# Allegro board FRDM-A-S32K356_PCBLayout.brd (continued)
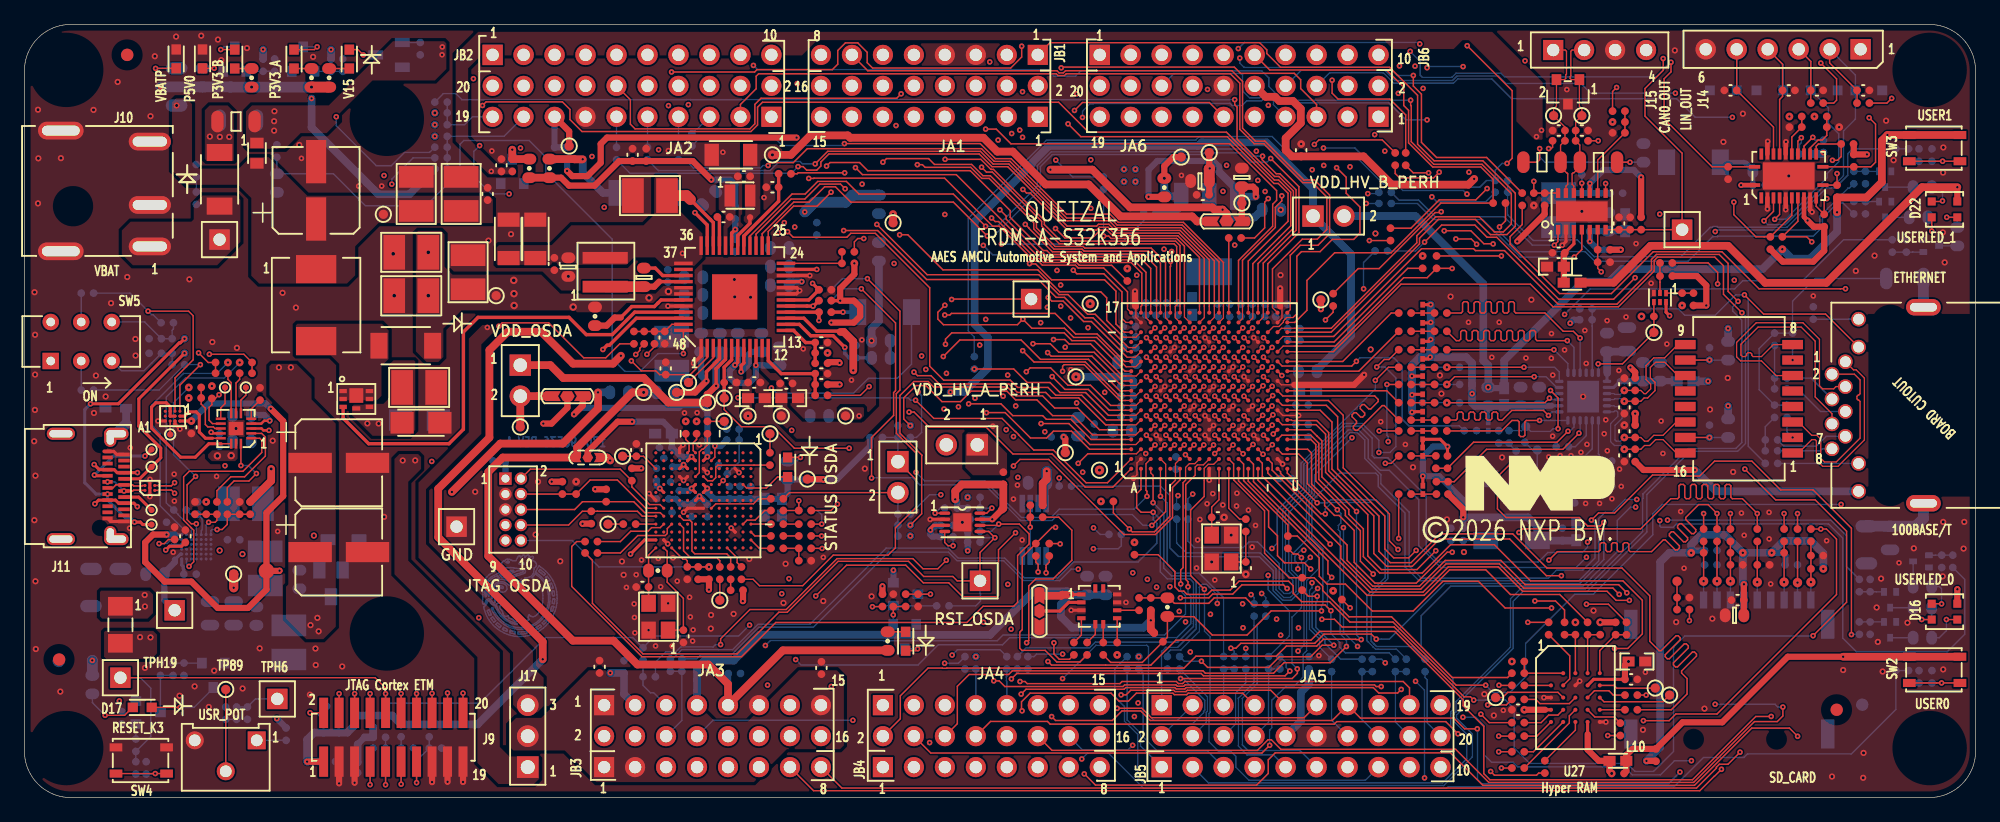
[diagram p0: board, top side]
## Placement (name value [footprint] x y rotation side) (continued)
NOREF#92  -  []  13.09 5.87 0 top
NOREF#93  -  []  149.32 35.75 90 top
NOREF#94  -  []  158.8 49.5 0 top
NOREF#95  -  []  137.69 16.22 0 top
NOREF#96  -  []  136.87 4.79 0 top
NOREF#97  -  []  154.56 52.2 0 top
NOREF#98  -  []  129.87 30.84 90 top
NOREF#99  -  [unnamed#2]  3.43 4.06 0 top
NOREF#100  -  []  148.35 24.92 90 top
NOREF#101  -  []  26.17 31.65 0 top
NOREF#102  -  []  2.99 21.2 0 top
NOREF#103  -  []  104.15 26.38 0 top
NOREF#104  -  []  56.36 52.72 0 top
NOREF#105  -  []  143.67 4.79 90 top
NOREF#106  -  []  126.56 30.94 0 top
NOREF#107  -  []  41.89 44.25 90 top
NOREF#108  -  []  147.35 0.79 90 top
NOREF#109  -  []  48.6 49.6 0 top
NOREF#110  -  []  144.16 26.19 0 top
NOREF#111  -  []  16.95 31.53 0 top
NOREF#112  -  []  21.4 31.63 90 top
NOREF#113  -  []  54.04 38.32 90 top
NOREF#114  -  []  161.5 49.5 90 top
NOREF#115  -  []  13.97 4.7 0 top
NOREF#116  -  []  -288.68 -280.68 0 top
NOREF#117  -  []  112.68 59.57 90 top
NOREF#118  -  []  154.47 51.67 0 top
NOREF#119  -  []  134.86 56.17 0 top
NOREF#120  -  []  17.35 51.41 0 top
NOREF#121  -  []  152.21 62.74 0 top
NOREF#122  -  []  35.97 2.95 90 top
NOREF#123  -  []  15.57 21.84 0 top
NOREF#124  -  []  39.32 36.94 0 top
NOREF#125  -  []  15.3 21.17 90 top
NOREF#126  -  []  131.72 5.22 0 top
NOREF#127  -  []  150.4 25.12 90 top
NOREF#128  -  [unnamed#2]  3.43 59.69 0 top
NOREF#129  -  []  147.37 40.42 0 top
NOREF#130  -  []  129.15 25.19 90 top
NOREF#131  -  []  16.1 30.68 90 top
NOREF#132  -  []  83.23 14.05 90 top
NOREF#133  -  []  12.6 31.94 90 top
NOREF#134  -  []  6.64 31.94 0 top
NOREF#135  -  []  30.97 30.75 0 top
NOREF#136  -  []  125.76 34.95 0 top
NOREF#137  -  []  11.66 1.97 90 top
NOREF#138  -  []  43.27 32.93 0 top
NOREF#139  -  []  91.61 1.16 0 top
NOREF#140  -  []  2.16 39.01 0 top
NOREF#141  -  []  36.75 59.58 0 top
NOREF#142  -  []  58.24 41.07 0 top
NOREF#143  -  []  57.99 36.87 90 top
NOREF#144  -  []  16.51 2.16 90 top
NOREF#145  -  []  7.42 1.45 0 top
NOREF#146  -  []  72.54 38.47 90 top
NOREF#147  -  []  150.35 0.81 90 top
NOREF#148  -  []  14.9 19.57 0 top
NOREF#149  -  []  39.88 46.45 90 top
NOREF#150  -  []  156.5 0 90 top
NOREF#151  -  []  28.29 32.7 90 top
NOREF#152  -  []  118.17 23.54 0 top
NOREF#153  -  []  10.9 24.99 0 top
NOREF#154  -  []  156.4 14.6 90 top
NOREF#155  -  [unnamed#3]  8.43 60.92 0 top
NOREF#156  -  []  59.69 49.87 0 top
NOREF#157  -  []  158.71 52.2 90 top
NOREF#158  -  []  157 -1.69 90 top
NOREF#159  -  []  89.82 3.7 90 top
NOREF#160  -  []  155.72 24.14 90 top
NOREF#161  -  []  39.44 24.9 90 top
NOREF#162  -  []  133.11 46.54 90 top
NOREF#163  -  []  7.16 35.81 90 top
NOREF#164  -  []  148.22 34.73 0 top
NOREF#165  -  []  137.69 16.22 0 top
NOREF#166  -  []  129.66 46.59 90 top
NOREF#167  -  []  97.32 47.26 0 top
NOREF#168  -  []  62.58 26.3 90 top
NOREF#169  -  []  6.82 24.4 90 top
NOREF#170  -  []  133.61 40.65 0 top
NOREF#171  -  []  149.32 35.75 90 top
NOREF#172  -  []  11.62 1.45 90 top
NOREF#173  -  [unnamed#2]  156.22 59.69 0 top
NOREF#174  -  []  117.76 1.15 90 top
NOREF#175  -  []  147.87 5.22 90 top
NOREF#176  -  [unnamed#2]  118.49 13.46 0 top
NOREF#177  -  []  75.6 28.94 0 top
NOREF#178  -  []  18.11 21.84 90 top
NOREF#179  -  []  39.44 21.09 90 top
NOREF#180  -  [unnamed#2]  29.72 55.68 0 top
NOREF#181  -  []  147.35 0.79 0 top
NOREF#182  -  []  78.02 58.38 0 top
NOREF#183  -  []  8.39 31.44 90 top
NOREF#184  -  []  158.67 8.88 90 top
NOREF#185  -  []  147.47 50.24 90 top
NOREF#186  -  []  161.5 16.5 90 top
NOREF#187  -  []  30.82 29.85 0 top
NOREF#188  -  []  45.22 27.9 0 top
NOREF#189  -  []  40.94 42.18 0 top
NOREF#190  -  []  45.22 27.9 0 top
NOREF#191  -  []  154.47 8.88 0 top
NOREF#192  -  []  146.92 49.19 90 top
NOREF#193  -  []  157 -4.79 90 top
NOREF#194  -  []  56.54 51.77 90 top
NOREF#195  -  []  137.69 16.22 0 top
NOREF#196  -  []  131.72 14.22 0 top
NOREF#197  -  []  84.74 49.27 0 top
NOREF#198  -  []  10.9 24.99 90 top
NOREF#199  -  []  56.54 51.77 90 top
NOREF#200  -  []  16 48.51 90 top
NOREF#201  -  []  118.15 26.38 90 top
NOREF#202  -  []  70.28 29.03 0 top
NOREF#203  -  []  143.67 4.79 0 top
NOREF#204  -  []  144.07 50.99 0 top
NOREF#205  -  []  65.32 55.84 90 top
NOREF#206  -  []  144.16 39.24 90 top
NOREF#207  -  []  10.69 25.2 90 top
NOREF#208  -  []  39.7 44.25 90 top
NOREF#209  -  []  29.27 38.42 0 top
NOREF#210  -  []  154.28 19.47 90 top
NOREF#211  -  []  109.67 46.35 90 top
NOREF#212  -  []  79.61 30.28 0 top
NOREF#213  -  []  2.99 21.2 90 top
NOREF#214  -  []  38.3 26.99 90 top
NOREF#215  -  []  158.71 9.41 90 top
NOREF#216  -  []  29.27 35.72 90 top
NOREF#217  -  []  125.86 31.64 90 top
NOREF#218  -  []  142.42 52.79 0 top
NOREF#219  -  []  128.15 25.19 0 top
NOREF#220  -  []  68.75 3.7 0 top
NOREF#221  -  []  26.14 32.05 0 top
NOREF#222  -  []  104.19 46.35 0 top
NOREF#223  -  []  17.35 48.71 90 top
NOREF#224  -  []  30.84 30.98 0 top
NOREF#225  -  []  29.07 37.07 0 top
NOREF#226  -  []  8.39 32.44 0 top
NOREF#227  -  []  56.19 51.77 0 top
NOREF#228  -  []  63.03 27.95 0 top
NOREF#229  -  []  50.08 5.04 0 top
NOREF#230  -  []  132.25 0.79 90 top
NOREF#231  -  []  -262.01 240.4 0 top
NOREF#232  -  []  72.94 5.04 0 top
NOREF#233  -  []  39.44 26.17 0 top
NOREF#234  -  []  51.78 27.63 90 top
NOREF#235  -  []  18.7 31.63 0 top
NOREF#236  -  []  13.11 35.51 90 top
NOREF#237  -  []  28.29 32.05 90 top
NOREF#238  -  []  36.75 3.2 90 top
NOREF#239  -  []  23.75 3.2 0 top
NOREF#240  -  []  56.36 52.72 0 top
NOREF#241  -  []  158.67 51.67 90 top
NOREF#242  -  []  97.32 47.26 0 top
NOREF#243  -  []  38.3 26.99 0 top
NOREF#244  -  []  51.18 28.88 0 top
NOREF#245  -  []  133.39 41.52 0 top
NOREF#246  -  []  47.54 5.04 0 top
NOREF#247  -  []  147.87 14.22 90 top
NOREF#248  -  []  52.8 48.25 90 top
NOREF#249  -  []  28.29 32.7 90 top
NOREF#250  -  []  38.39 60.92 0 top
NOREF#251  -  []  88.18 60.92 0 top
NOREF#252  -  []  136.87 4.79 90 top
NOREF#253  -  []  0 56.75 0 top
NOREF#254  -  []  157 -0.59 90 top
NOREF#255  -  []  83.23 14.05 90 top
NOREF#256  -  []  134.86 53.47 90 top
NOREF#257  -  []  60.18 28.88 90 top
NOREF#258  -  []  134.66 52.12 0 top
NOREF#259  -  [unnamed#3]  2.82 11.21 180 bottom
NOREF#260  -  []  47.9 36.07 180 bottom
NOREF#261  -  [unnamed#3]  150.7 7.62 270 bottom
NOREF#262  -  []  35.78 33.58 180 bottom
NOREF#263  -  [unnamed#3]  8.42 60.92 180 bottom
Q1  BUK9D23-40EX  [SOT1220]  27.22 32.7 0 top
Q2  BC846B  [SOT23_A]  17.25 60.58 180 bottom
Q3  BSH103  [SOT23]  29.9 60.92 270 bottom
Q5  BCP56-16TX  [SOT223]  97.16 46.23 0 bottom
Q6  BC857B  [SOT23_A]  72.26 16.69 90 bottom
Q7  BC847B  [SOT23_A]  72.19 13.21 0 bottom
Q8  2SC4738-GR,LF  [SC_75]  152.98 13.76 0 bottom
Q9  2SC4738-GR,LF  [SC_75]  152.98 16.23 0 bottom
Q10  2SC4738-GR,LF  [SC_75]  155.52 19.38 270 bottom
Q11  BC857B  [SOT23_A]  10.15 6.98 90 bottom
Q12  BC847B  [SOT23_A]  15.49 10.03 0 bottom
Q13  BC846B  [SOT23_A]  22.86 60.58 180 bottom
Q14  2SC4738-GR,LF  [SC_75]  156.35 45.25 90 bottom
Q15  2SC4738-GR,LF  [SC_75]  152.58 48.25 0 bottom
Q16  2SC4738-GR,LF  [SC_75]  152.58 50.72 0 bottom
R1  5.1K  [RC0402_25]  20.7 53.04 270 bottom
R2  0  [RC0402_25]  104.78 17.53 90 top
R3  0  [RC0402_25]  103.6 20.95 90 top
R4  0  [RC0402_25]  49.98 37.73 90 top
R5  560 OHM  [RC0603_OV]  14.61 59.05 90 bottom
R6  0  [RC0402_25]  50.82 37.73 90 top
R7  0  [RC0402_25]  107.67 16.6 315 top
R8  2.0K  [RC1206_OV]  12.48 58.29 90 bottom
R9  560 OHM  [RC0603_OV]  18.63 59.04 90 top
R10  560 OHM  [RC0603_OV]  24.99 59.04 90 top
R11  0.1  [RC1206_ERJ-8BW]  32.52 30.75 0 top
R12  0.1  [RC1206_ERJ-8BW]  32.39 30.98 0 bottom
R14  10K  [RC0402_25]  19.57 60.08 270 bottom
R15  215  [RC0402_25]  32.46 61.43 90 bottom
R17  0  [RC0402_25]  58.29 47.96 270 bottom
R18  33K  [RC0402_25]  20.52 60.08 90 bottom
R20  0  [RC0603_OV]  46.79 39.48 270 top
R21  220  [RC0402_25]  62.35 51.17 180 top
R22  0  [RC0402_25]  64.97 46.65 270 bottom
R23  10K  [RC0402_25]  67.55 43.82 180 top
R24  5.1K  [RC0402_25]  65.66 39.82 180 bottom
R26  5.1K  [RC0402_25]  65.66 40.77 180 top
R27  5.1K  [RC0402_25]  65.35 35.63 180 top
R28  5.1K  [RC0402_25]  65.35 33.89 180 top
R29  22K  [RC0402_25]  65.66 41.66 180 top
R31  30.9K  [RC0603_OV]  70.23 37.48 0 bottom
R32  300  [RC0603_OV]  70.23 36.07 180 bottom
R33  10K  [RC0402_25]  68.2 36.58 90 bottom
R34  0  [RC0402_25]  65.66 40.77 180 bottom
R35  0  [RC0402_25]  65.66 41.66 180 bottom
R37  0  [RC0402_25]  65.35 36.48 180 top
R38  0  [RC0402_25]  65.35 33 180 top
R39  0  [RC0402_25]  67.55 44.77 180 top
R40  10K  [RC0402_25]  40.01 51.87 90 top
R42  0  [RC0603_OV]  41.4 51.61 270 top
R43  0  [RC0603_OV]  43.05 51.61 270 top
R44  33K  [RC0402_25]  50.98 52.72 90 top
R46  0  [RC0402_25]  84.7 29.58 0 bottom
R47  2.2K  [RC0603_OV]  93.47 50.04 270 top
R48  0  [RC0402_25]  88.47 50.4 90 bottom
R50  0  [RC0402_25]  114.65 43.92 270 top
R51  0  [RC0402_25]  99.26 45.91 180 top
R52  0  [RC0402_25]  111.57 49.65 180 bottom
R53  0  [RC0402_25]  121.12 49.66 0 bottom
R54  0  [RC0402_25]  111.57 48.74 180 bottom
R55  0  [RC0402_25]  91.1 51.03 90 bottom
R56  0  [RC0402_25]  90.16 51.03 90 bottom
R57  0  [RC0402_25]  89.44 21.59 0 bottom
R58  0  [RC0402_25]  91.02 20.43 270 top
R59  0  [RC0402_25]  85.36 25.56 180 bottom
R60  0  [RC0402_25]  88.79 24.3 180 top
R61  0  [RC0402_25]  94.48 23.35 90 bottom
R62  0  [RC0402_25]  95.4 23.35 90 bottom
R73  0  [RC0402_25]  111.26 44.84 180 bottom
R74  0  [RC0402_25]  77.89 35.66 270 bottom
R75  0  [RC0402_25]  115.79 43.92 270 top
R76  0  [RC0402_25]  121.12 50.62 180 bottom
R79  0  [RC0402_25]  92.29 47.94 180 bottom
R80  0  [RC0402_25]  100.15 22.34 270 top
R82  0  [RC0805_OV]  17.16 15.11 270 bottom
R83  0  [RC0805_OV]  15.21 15.11 270 bottom
R84  0  [RC0402_25]  16.64 23.75 270 top
R85  0  [RC0402_25]  15.79 23.75 270 top
R86  100k  [RC0402_25]  12.32 21.68 270 top
R87  10K  [RC0402_25]  13.99 32.78 0 top
R88  100k  [RC0402_25]  14.21 23.75 270 bottom
R89  0  [RC0402_25]  12.76 23.59 0 bottom
R90  0  [RC0402_25]  13.99 33.64 180 top
R91  0  [RC0402_25]  19.32 33.11 90 top
R92  10K  [RC0402_25]  15.37 33.25 270 top
R93  0  [RC0402_25]  16.18 34.81 180 top
R94  0  [RC0402_25]  18.16 34.81 0 top
R95  0  [RC0402_25]  16.18 35.69 180 top
R96  0  [RC0402_25]  18.16 35.69 0 top
R97  10K  [RC0402_25]  58.42 17.01 180 top
R98  0  [RC0402_25]  49.61 22.43 180 top
R99  0  [RC0402_25]  46.48 21 180 top
R100  0  [RC0402_25]  46.48 20.07 180 top
R101  0  [RC0402_25]  57.91 18.41 270 top
R102  0  [RC0402_25]  57.02 18.41 270 top
R104  1M  [RC0603_OV]  51.94 18.62 0 top
R105  0  [RC0402_25]  64.01 21.46 0 top
R106  0  [RC0402_25]  64.01 22.43 0 top
R107  0  [RC0402_25]  64.01 23.55 0 bottom
R108  0  [RC0402_25]  64.01 23.55 0 top
R109  0  [RC0402_25]  64.01 20.45 0 top
R110  4.7K  [RC0402_25]  55.25 18.41 90 top
R111  100k  [RC0402_25]  64.01 19.43 0 top
R112  10K  [RC0402_25]  54.36 18.41 270 top
R113  0  [RC0402_25]  61.72 24.51 0 top
R114  0  [RC0402_25]  58.8 18.41 270 top
R115  10K  [RC0402_25]  69.85 29.54 0 bottom
R116  0  [RC0402_25]  72.14 30.52 0 bottom
R117  10K  [RC0402_25]  72.14 21.46 180 bottom
R118  0  [RC0402_25]  72.14 22.35 0 bottom
R119  0  [RC0402_25]  72.14 29.54 0 bottom
R120  0  [RC0402_25]  72.14 23.26 0 bottom
R121  0  [RC0402_25]  61.72 20.45 0 top
R123  5.1K  [RC0402_25]  10.73 36.45 180 bottom
R124  0  [RC0402_25]  80.27 26.19 270 top
R125  0  [RC0402_25]  61.72 21.46 0 top
R126  0  [RC0402_25]  61.72 22.43 0 top
R127  0  [RC0402_25]  61.72 23.55 0 top
R128  5.1K  [RC0402_25]  10.73 37.64 180 bottom
R129  330  [RC0603_OV]  62.58 26.85 90 bottom
R130  10K  [RC0402_25]  77.85 20.95 0 bottom
R131  10K  [RC0402_25]  75.64 21.41 0 bottom
R132  4.7K  [RC0402_25]  77.85 21.84 0 bottom
R133  10K  [RC0402_25]  75.97 23.75 180 bottom
R134  180K  [RC0402_25]  77.85 23.75 0 bottom
R135  0  [RC0402_25]  77.85 24.64 180 bottom
R136  5.6K  [RC0402_25]  58.1 29.34 0 bottom
R137  560 OHM  [RC0603_OV]  70.79 12.84 90 top
R138  10K  [RC0402_25]  58.1 30.23 180 bottom
R139  0  [RC0402_25]  55.12 30.35 270 top
R140  0  [RC0402_25]  54.23 30.35 270 top
R141  4.7K  [RC0402_25]  70.36 16.18 270 top
R142  18K  [RC0402_25]  75.31 15.73 180 bottom
R143  10K  [RC0402_25]  72.26 16.18 270 top
R144  100k  [RC0402_25]  73.28 16.18 270 top
R145  180K  [RC0402_25]  71.25 16.18 90 top
R147  0  [RC0402_25]  61.13 27.78 90 top
R148  0  [RC0402_25]  56.01 30.35 90 top
R149  10K  [RC0402_25]  49.81 26.5 270 top
R150  10K  [RC0402_25]  44.11 25.41 270 top
R151  10K  [RC0402_25]  47.7 24.78 270 top
R152  10K  [RC0402_25]  46.48 22.98 90 top
R153  10K  [RC0402_25]  56.13 18.41 90 top
R154  10K  [RC0402_25]  45.24 25.41 90 top
R155  0  [RC0402_25]  150.78 56.97 0 top
R156  10K  [RC0402_25]  143.16 45.49 90 top
R157  10K  [RC0402_25]  147.58 47.34 90 top
R158  10K  [RC0402_25]  144.14 45.49 90 top
R159  10K  [RC0402_25]  148.63 49.73 90 top
R160  10K  [RC0402_25]  145.23 55.87 0 top
R161  10K  [RC0402_25]  147.29 55.87 0 top
R162  10K  [RC0402_25]  147.51 53.41 90 bottom
R163  10K  [RC0402_25]  150 52.25 270 top
R164  10K  [RC0402_25]  146.06 52.79 180 bottom
R165  10K  [RC0402_25]  149.48 53.61 180 top
R166  0  [RC0402_25]  146.99 56.97 0 top
R167  10K  [RC0402_25]  145.23 55 180 top
R168  10K  [RC0402_25]  148.3 55 0 top
R169  1.0K  [RC0402_25]  130.55 49.58 180 bottom
R170  10K  [RC0402_25]  132.57 47.09 270 top
R171  10K  [RC0402_25]  130.73 55.42 0 top
R172  10K  [RC0402_25]  124.66 49.08 90 top
R173  10K  [RC0402_25]  129.51 44.94 180 top
R174  0  [RC0402_25]  125.82 53.88 180 top
R175  0  [RC0402_25]  127.71 53.88 0 top
R176  60.4  [RC1206_OV]  124.44 52.12 180 top
R177  0  [RC0402_25]  127.71 51.61 90 bottom
R178  60.4  [RC1206_OV]  129.07 52.12 180 top
R179  10K  [RC0402_25]  131.67 47.09 90 top
R180  10K  [RC0402_25]  130.73 54.53 180 top
R181  10K  [RC0402_25]  123.77 49.08 270 top
R182  10K  [RC0402_25]  129.51 43.92 0 top
R184  51K  [RC0201]  114.65 32.74 270 top
R185  51K  [RC0201]  114.65 28.37 270 top
R186  51K  [RC0201]  114.67 25.24 270 top
R187  0  [RC0402_25]  113.2 24.9 0 top
R188  49.9  [RC0402_25]  144.02 34.42 180 bottom
R189  0  [RC0402_25]  113.2 28.03 0 top
R190  0  [RC0402_25]  113.2 32.39 0 top
R191  49.9  [RC0402_25]  132.08 28.07 90 top
R192  49.9  [RC0402_25]  132.08 32 90 top
R193  49.9  [RC0402_25]  143.51 37.59 90 bottom
R195  49.9  [RC0402_25]  132.08 30.05 270 top
R196  49.9  [RC0402_25]  132.08 33.91 270 top
R197  0  [RC0603_OV]  139.7 36.65 270 bottom
R198  49.9  [RC0402_25]  144.02 33.53 180 bottom
R201  49.9  [RC0402_25]  143.26 29.34 180 bottom
R203  49.9  [RC0402_25]  143.51 31.69 90 bottom
R204  49.9  [RC0402_25]  143.26 28.45 180 bottom
R205  75  [RC0402_25]  144.53 31.69 90 bottom
R208  51K  [RC0201]  114.65 29.73 90 top
R209  51K  [RC0201]  114.65 31.31 270 top
R210  0  [RC0402_25]  113.2 30.97 0 top
R211  0  [RC0402_25]  113.2 30.08 0 top
R216  1.0K  [RC0402_25]  116.69 27.52 270 top
R217  1.0K  [RC0402_25]  116.74 25.4 90 top
R218  75  [RC0402_25]  144.99 37.59 90 bottom
R219  470  [RC0402_25]  143.26 27.41 180 bottom
R220  33 OHM  [RC0402_25]  115.73 27.52 90 top
R221  51K  [RC0201]  114.65 34.23 270 top
R222  51K  [RC0201]  114.65 35.64 270 top
R223  33 OHM  [RC0402_25]  115.78 25.4 270 top
R224  0  [RC0402_25]  113.2 35.3 0 top
R226  470  [RC0402_25]  146.69 39.75 90 bottom
R227  0  [RC0402_25]  113.2 33.89 0 top
R228  33 OHM  [RC0402_25]  116.13 38.25 0 top
R229  33 OHM  [RC0402_25]  116.13 39.75 0 top
R232  33 OHM  [RC0402_25]  116.13 30.97 0 top
R234  33 OHM  [RC0402_25]  116.13 30.08 0 top
R235  1.0M  [RC0805_OV]  152.98 21.3 270 bottom
R238  51K  [RC0201]  114.65 40.09 270 top
R239  51K  [RC0201]  114.65 38.59 270 top
R240  6.49K  [RC0402_25]  126.11 28.79 180 bottom
R241  0  [RC0402_25]  113.2 38.25 0 top
R242  0  [RC0402_25]  113.2 39.75 0 top
R243  33 OHM  [RC0402_25]  116.13 35.3 0 top
R244  33 OHM  [RC0402_25]  116.13 33.89 0 top
R248  0  [RC0402_25]  127.13 26.67 270 bottom
R249  0  [RC0402_25]  126.11 26.67 270 bottom
R251  0  [RC0402_25]  129.65 27.6 0 bottom
R254  51K  [RC0201]  114.65 37.08 270 top
R255  51K  [RC0201]  120.03 30.44 270 bottom
R256  0  [RC0603_OV]  120.03 32.89 270 bottom
R257  0  [RC0402_25]  118.57 30.1 0 bottom
R259  0  [RC0402_25]  113.2 36.74 0 top
R261  0  [RC0402_25]  122.67 28.79 225 bottom
R263  0  [RC0402_25]  120.9 29.59 270 bottom
R264  10K  [RC0402_25]  117.98 21.59 270 bottom
R267  0  [RC0402_25]  121.74 29.59 270 bottom
R268  10K  [RC0402_25]  116.97 21.59 270 bottom
R270  33 OHM  [RC0402_25]  116.13 32.39 0 top
R271  33 OHM  [RC0402_25]  116.13 36.74 0 top
R320  560 OHM  [RC0603_OV]  155.63 17.31 180 bottom
R321  680  [RC0603_OV]  155.63 15.58 180 bottom
R322  680  [RC0603_OV]  155.63 13.11 180 bottom
R333  10K  [RC0402_25]  150.46 13.9 90 bottom
R335  33K  [RC0402_25]  151.35 13.9 270 bottom
R338  10K  [RC0402_25]  150.46 17.39 270 bottom
R340  33K  [RC0402_25]  151.35 17.39 90 bottom
R341  10K  [RC0402_25]  158.13 19.38 90 bottom
R342  33K  [RC0402_25]  157.22 19.38 270 bottom
R343  10K  [RC0402_25]  154.5 9.91 90 bottom
R344  10K  [RC0402_25]  155.35 9.91 90 bottom
R345  10K  [RC0402_25]  24.54 5.84 90 bottom
R346  10K  [RC0402_25]  25.78 5.84 90 bottom
R347  10K  [RC0402_25]  27.08 7.24 90 bottom
R348  10K  [RC0402_25]  28.32 7.24 90 bottom
R349  10K  [RC0402_25]  29.62 7.24 90 bottom
R350  0  [RC0402_25]  27.84 2.88 0 bottom
R351  0  [RC0402_25]  29.11 4.95 0 bottom
R352  0  [RC0402_25]  30.89 5.5 270 bottom
R353  0  [RC0402_25]  33.19 5.5 270 bottom
R354  10K  [RC0402_25]  29.11 4.06 180 bottom
R355  10K  [RC0402_25]  31.39 4.06 0 bottom
R356  10K  [RC0402_25]  154.5 52.71 90 bottom
R357  10K  [RC0402_25]  27.84 2.04 180 bottom
R358  10K  [RC0402_25]  33.7 4.06 0 bottom
R359  10K  [RC0402_25]  155.35 52.71 90 bottom
R360  10K  [RC0402_25]  25.3 7.49 180 bottom
R361  560 OHM  [RC0603_OV]  5.58 9.27 270 bottom
R362  4.7K  [RC0402_25]  7.99 6.55 270 bottom
R363  0  [RC0402_25]  21.46 5.21 90 bottom
R364  10  [RC0402_25]  9.14 2.44 90 bottom
R365  18K  [RC0402_25]  9.14 4.29 90 bottom
R366  10K  [RC0402_25]  12.19 10.53 90 bottom
R367  100k  [RC0402_25]  11.15 10.53 90 bottom
R368  180K  [RC0402_25]  13.08 10.53 270 bottom
R369  1.0K  [RC0402_25]  17.4 6.93 90 bottom
R370  10K  [POT3_3362W]  19.05 4.7 180 top
R396  10K  [RC0402_25]  34.16 51.58 0 bottom
R397  10K  [RC0402_25]  34.16 56.16 0 bottom
R398  0  [RC0402_25]  34.16 57.05 0 bottom
R399  0  [RC0402_25]  34.16 54.24 0 bottom
R400  0  [RC0402_25]  34.16 53.35 0 bottom
R401  0  [RC0402_25]  34.16 55.19 0 bottom
R403  0  [RC0402_25]  34.16 52.47 0 bottom
R404  0  [RC0402_25]  44.5 52.83 90 bottom
R405  0  [RC0402_25]  48.55 52.83 90 bottom
R406  0  [RC0402_25]  51.09 52.83 90 bottom
R407  0  [RC0402_25]  53.63 52.83 90 bottom
R409  0  [RC0402_25]  54.73 53.96 90 bottom
R412  0  [RC0402_25]  80.56 11.06 270 bottom
R413  0  [RC0402_25]  82.28 11.06 270 bottom
R414  0  [RC0402_25]  81.42 11.06 270 bottom
R415  0  [RC0402_25]  98.34 11.06 90 bottom
R416  0  [RC0402_25]  99.21 11.06 90 bottom
R417  0  [RC0402_25]  77.13 11.06 270 bottom
R418  0  [RC0402_25]  78.02 11.06 270 bottom
R419  0  [RC0402_25]  50.73 11.79 270 bottom
R420  0  [RC0402_25]  51.23 9.91 180 bottom
R421  0  [RC0402_25]  109.68 10.85 90 bottom
R422  0  [RC0402_25]  112.42 10.85 90 bottom
R424  0  [RC0402_25]  114.85 10.85 90 bottom
R425  0  [RC0402_25]  113.32 10.85 90 bottom
R426  0  [RC0402_25]  110.53 10.85 90 bottom
R427  0  [RC0402_25]  107.19 10.85 90 bottom
R428  0  [RC0402_25]  102.02 11.06 90 bottom
R429  0  [RC0402_25]  100.15 11.06 90 bottom
R430  0  [RC0402_25]  53.91 10.87 270 bottom
R431  0  [RC0402_25]  94.73 11.06 90 bottom
R432  0  [RC0402_25]  52.97 10.87 270 bottom
R433  0  [RC0402_25]  102.95 11.06 90 bottom
R435  0  [RC0402_25]  93.72 11.06 90 bottom
R438  0  [RC0402_25]  12.62 36.45 180 bottom
R439  0  [RC0402_25]  12.62 37.64 180 bottom
R440  560 OHM  [RC0603_OV]  23.54 59.04 90 top
R441  10K  [RC0402_25]  25.15 60.08 270 bottom
R442  33K  [RC0402_25]  26.11 60.08 90 bottom
R448  0  [RC0402_25]  12.62 35.51 0 bottom
R449  0  [RC0402_25]  11.71 38.95 180 bottom
R452  0  [RC0402_25]  5.17 33.43 0 bottom
R453  0  [RC0402_25]  5.17 41.38 0 bottom
R454  0  [RC0402_25]  130.73 56.31 0 top
R455  100k  [RC0402_25]  14.91 23.75 270 top
R456  100k  [RC0402_25]  18.51 23.75 270 top
R457  100k  [RC0402_25]  13.99 23.75 90 top
R458  100k  [RC0402_25]  17.65 23.75 90 top
R495  0  [RC0402_25]  130.66 1.98 180 top
R500  0  [RC1206_OV]  17.55 55.55 0 bottom
R501  0  [RC1206_OV]  7.87 17.23 270 bottom
R502  0  [RC1206_OV]  5.46 17.23 270 bottom
R516  0  [RC0402_25]  87.14 12.22 90 top
R517  0  [RC0402_25]  89.61 12.22 270 top
R518  0  [RC0402_25]  86.06 12.22 90 top
R519  0  [RC0402_25]  91.4 15.87 90 top
R520  0  [RC0402_25]  88.46 12.22 270 top
R521  10K  [RC0402_25]  92.36 15.87 90 top
R522  10K  [RC0402_25]  93 13.14 315 top
R523  0  [RC0603_OV]  93.72 15.62 270 top
R524  10K  [RC0402_25]  82.99 23.98 180 top
R525  0  [RC0402_25]  82.99 23 180 top
R526  0  [RC0402_25]  84.04 20.33 90 top
R527  0  [RC0402_25]  82.93 20.33 90 top
R528  0  [RC0603_OV]  52.59 33.24 0 bottom
R529  0  [RC0603_OV]  48.77 33.24 0 bottom
R530  0  [RC0603_OV]  70.07 44.77 270 bottom
R531  0  [RC0603_OV]  65.19 31.31 180 bottom
R532  0  [RC0603_OV]  90.42 35.73 0 bottom
R533  0  [RC0603_OV]  105.23 34.98 180 bottom
R534  0  [RC0603_OV]  102.25 48.22 0 bottom
R537  10K  [RC0402_25]  118.19 32.39 180 bottom
R538  1.0K  [RC0402_25]  115.15 32.39 180 bottom
R539  10K  [RC0402_25]  118.19 33.89 180 bottom
R540  1.0K  [RC0402_25]  115.15 33.89 180 bottom
R541  10K  [RC0402_25]  128.04 39.19 0 bottom
R542  1.0K  [RC0402_25]  128.04 40.09 180 bottom
R543  10K  [RC0402_25]  118.19 35.3 180 bottom
R544  1.0K  [RC0402_25]  115.15 35.3 180 bottom
R713  33 OHM  [RC0402_25]  130.86 5.6 90 top
R714  33 OHM  [RC0402_25]  124.99 13.87 90 top
R715  33 OHM  [RC0402_25]  122.48 2.43 0 top
R730  47K  [RC0603_OV]  19.03 14.89 90 bottom
R731  0  [RC1206_OV]  17.36 55.46 0 top
R732  0  [RC0402_25]  65.66 39.82 180 top
R733  0  [RC0603_OV]  139.7 30.3 270 bottom
R734  10K  [RC0402_25]  134.62 42.78 180 top
R735  10K  [RC0402_25]  136.86 40.88 90 top
R742  0  [RC0402_25]  135.93 40.88 90 top
R743  0  [RC0402_25]  134.62 43.86 180 top
R744  4.7K  [RC0402_25]  133.1 39.47 0 top
R745  33 OHM  [RC0402_25]  126.29 13.87 90 top
R746  33 OHM  [RC0402_25]  122.48 6.15 0 top
R747  33 OHM  [RC0402_25]  131.75 8.41 180 top
R748  0  [RC0402_25]  90.42 11.06 90 bottom
R749  0  [RC0402_25]  91.38 11.06 90 bottom
R750  0  [RC0402_25]  101.79 15.39 90 bottom
R751  0  [RC0402_25]  100.83 15.39 90 bottom
R752  14.7K  [RC0402_25]  143.78 20.08 0 top
R753  14.7K  [RC0402_25]  144.88 19.09 0 bottom
R754  14.7K  [RC0402_25]  137.18 20.08 0 top
R755  14.7K  [RC0402_25]  138.28 20.27 0 bottom
R756  14.7K  [RC0402_25]  140.4 20.08 180 top
R757  10K  [RC0402_25]  147 18.76 180 top
R758  10K  [RC0402_25]  138.28 19.09 180 bottom
R759  10K  [RC0402_25]  140.4 19.09 0 top
R760  10K  [RC0402_25]  142.6 19.09 0 top
R761  10K  [RC0402_25]  136.02 16.4 0 top
R762  10K  [RC0402_25]  147 19.85 0 top
R763  33 OHM  [RC0402_25]  144.29 21.52 270 top
R764  33 OHM  [RC0402_25]  145.39 21.52 270 top
R765  33 OHM  [RC0402_25]  137.69 21.52 270 top
R766  33 OHM  [RC0402_25]  138.79 21.52 270 top
R767  33 OHM  [RC0402_25]  139.89 21.52 270 top
R768  33 OHM  [RC0402_25]  142.09 21.52 270 top
R769  0  [RC0402_25]  136.02 15.42 180 top
R770  33 OHM  [RC0402_25]  131.75 7.21 180 top
R771  33 OHM  [RC0402_25]  124.67 2.52 90 top
R772  33 OHM  [RC0402_25]  122.48 3.76 0 top
R773  33 OHM  [RC0402_25]  122.48 5.04 0 top
R774  33 OHM  [RC0402_25]  122.48 8.06 0 top
R775  10K  [RC0402_25]  129.21 13.87 270 top
R776  10K  [RC0402_25]  127.18 13.87 270 top
R777  33 OHM  [RC0402_25]  128.18 13.87 90 top
R778  0  [RC0402_25]  122.48 9.21 180 top
R779  10K  [RC0402_25]  130.48 13.87 270 top
R780  10K  [RC0402_25]  122.48 11.16 0 top
R781  33 OHM  [RC0402_25]  131.37 13.87 90 top
R782  33 OHM  [RC0402_25]  122.48 10.21 180 top
R783  0  [RC0402_25]  146.49 21.52 270 top
R784  560 OHM  [RC0603_OV]  155.63 50.07 180 bottom
R785  680  [RC0603_OV]  155.31 47.6 180 bottom
R786  680  [RC0603_OV]  158.5 46.01 270 bottom
R787  10K  [RC0402_25]  153.16 45.25 270 bottom
R788  33K  [RC0402_25]  154.31 45.25 90 bottom
R789  10K  [RC0402_25]  150 48.39 90 bottom
R790  33K  [RC0402_25]  150.96 48.39 270 bottom
R791  10K  [RC0402_25]  150 50.86 90 bottom
R792  33K  [RC0402_25]  150.96 50.86 270 bottom
R795  0  [RC0402_25]  103.4 26.17 180 bottom
R796  0  [RC0402_25]  113.26 52.37 90 top
R797  0  [RC0402_25]  120.94 48.77 180 top
R798  0  [RC0402_25]  112.4 52.37 90 top
R799  0  [RC0402_25]  90.44 42.89 270 top
R800  0  [RC0402_25]  122.82 49.08 270 top
R801  0  [RC0402_25]  107.32 40.83 90 top
R802  0  [RC0402_25]  112.02 46.2 90 top
R803  0  [RC0402_25]  51.66 37.73 90 top
R804  10K  [RC0402_25]  139.7 51.23 270 top
R805  0  [RC0402_25]  133.79 3.49 90 top
R806  0  [RC0603_OV]  70.07 48.66 270 bottom
SJ1  3 PIN 0603 SHORT 1-2  [3PIN_0603_SOLDER_BLOB_JUMPER_SHORT]  44.53 32.93 180 top
SJ2  3 PIN 0402 JUMPER  [3PIN_0402X2_A]  46.19 27.9 0 top
SJ4  3 PIN 0603 SHORT 1-2  [3PIN_0603_SOLDER_BLOB_JUMPER_SHORT]  98.57 47.26 180 top
SJ5  3 PIN 0603 SHORT 1-2  [3PIN_0603_SOLDER_BLOB_JUMPER_SHORT]  83.23 15.3 270 top
SW2  SW SPST NO  [SW4_4P15_4P2X3P2_SM]  156.57 10.48 0 top
SW3  SW SPST NO  [SW4_4P15_4P2X3P2_SM]  156.57 53.27 0 top
SW4  SW SPST NO  [SW4_4P15_4P2X3P2_SM]  9.53 3.05 0 top
SW5  M096H-A020RT21A  [SW6_DPDT_M096H_TH]  2.16 35.81 90 top
T1  PT61018PEL  [XFMR16_1P27_13P05X7P15]  140.59 32.72 90 top
TP8  -  [TPAD_030]  57.38 32.77 90 top
TP9  -  [TPAD_030]  54.46 34.05 180 top
TP15  -  [TPAD_030]  88.15 26.86 0 top
TP16  -  [TPAD_030]  86.22 34.52 270 top
TP17  -  [TPAD_030]  106.31 40.83 0 top
TP18  -  [TPAD_030]  94.86 52.54 0 top
TP19  -  [TPAD_030]  99.83 48.77 0 top
TP20  -  [TPAD_030]  17.16 18.33 90 top
TP21  -  [TPAD_020]  16.45 33.64 90 top
TP22  -  [TPAD_020]  18.16 33.64 90 top
TP23  -  [TPAD_050]  19.85 18.6 90 top
TP24  -  [TPAD_020]  10.43 27.12 90 top
TP25  -  [TPAD_020]  10.43 22.4 90 top
TP26  -  [TPAD_020]  10.43 23.59 0 top
TP27  -  [TPAD_020]  10.43 28.56 90 top
TP28  -  [TPAD_020]  11.95 29.79 270 top
TP29  -  [TPAD_030]  64.2 26.13 270 top
TP44  -  [TPAD_030]  49.05 28 0 top
TP58  -  [TPAD_030]  125.39 55.93 180 top
TP59  -  [TPAD_030]  127.71 55.93 180 top
TP63  -  [TPAD_030]  123.11 30.44 180 bottom
TP65  -  [TPAD_030]  124.06 28.51 180 bottom
TP89  -  [TPAD_030]  16.51 8.87 180 top
TP90  -  [TPAD_030]  44.67 53.45 0 top
TP117  -  [TPAD_030]  61.13 29.84 0 top
TP118  -  [TPAD_030]  57.38 30.86 0 top
TP119  -  [TPAD_030]  61.34 52.72 0 top
TP120  -  [TPAD_030]  53.48 33.24 0 top
TP121  -  [TPAD_030]  56.01 32.4 0 top
TP122  -  [TPAD_030]  62.06 31.31 0 top
TP123  -  [TPAD_030]  59.34 31.31 0 top
TP124  -  [TPAD_030]  50.78 33.24 0 top
TP125  -  [TPAD_030]  71.23 47.15 0 top
TP126  -  [TPAD_030]  67.34 31.31 0 top
TP127  -  [TPAD_030]  40.66 30.4 0 top
TP128  -  [TPAD_030]  38.68 41.17 0 top
TP129  -  [TPAD_030]  29.44 47.85 0 top
TP130  -  [TPAD_030]  97.16 52.9 0 top
TP131  -  [TPAD_030]  87.39 40.51 0 top
TP132  -  [TPAD_030]  85.35 28.3 0 top
TP133  -  [TPAD_030]  47.85 22.43 0 top
TP134  -  [TPAD_030]  57.02 16.19 0 top
TP135  -  [TPAD_030]  133.61 38.16 0 top
TPAD20  -  [TPAD_030]  133.73 8.99 0 top
TPAD21  -  [TPAD_030]  120.64 8.21 0 top
TPAD22  -  [TPAD_030]  134.9 8.41 0 top
TPAD24  -  [TPAD_030]  144.29 17.68 0 top
TPAD25  -  [TPAD_030]  145.39 17.64 0 top
TPAD26  -  [TPAD_030]  137.69 17.75 0 top
TPAD27  -  [TPAD_030]  138.79 17.75 0 top
TPAD28  -  [TPAD_030]  139.89 17.75 0 top
TPAD29  -  [TPAD_030]  142.09 17.68 0 top
TPAD44  -  [TPAD_030]  135.51 17.75 0 top
TPAD45  -  [TPAD_030]  146.49 17.68 0 top
TPH2  HDR 1X1  [HDR_1X1]  16 45.77 0 top
TPH3  HDR 1X1  [HDR_1X1]  35.43 22.23 0 top
TPH6  HDR 1X1  [HDR_1X1]  20.74 8.09 180 top
TPH10  HDR 1X1  [HDR_1X1]  78.36 17.78 0 top
TPH11  HDR 1X1  [HDR_1X1]  82.55 40.89 90 top
TPH19  HDR 1X1  [HDR_1X1]  7.87 9.84 0 top
TPH23  HDR 1X1  [HDR_1X1]  12.32 15.37 0 top
TPH24  HDR 1X1  [HDR_1X1]  135.93 46.59 180 top
U1  PFS2613HMDGVAD  [LQFP48_EP146MIL]  58.24 41.07 90 top
U2  S32K356GHT1MJBST  [BGA289_0P8_14X14_1P52MM]  97.16 33.38 90 top
U3  NX20P3483UK  [WLCSP42_0P4_2P94X2P54_SMDP]  14.1 20.57 270 bottom
